# Altium PCB ad-dc-1.PcbDoc (part 2 of 2)
Units mm, origin at the board's own origin, x right, y up, seen from the top; angles counter-clockwise.
Board outline 210 x 140 mm, 2 copper layers (Top Layer, Bottom Layer), stack 2.271 mm thick; 238 components, 114 nets, 592 pads, 0 vias.
Unrouted connection lines stored in the file: 457.
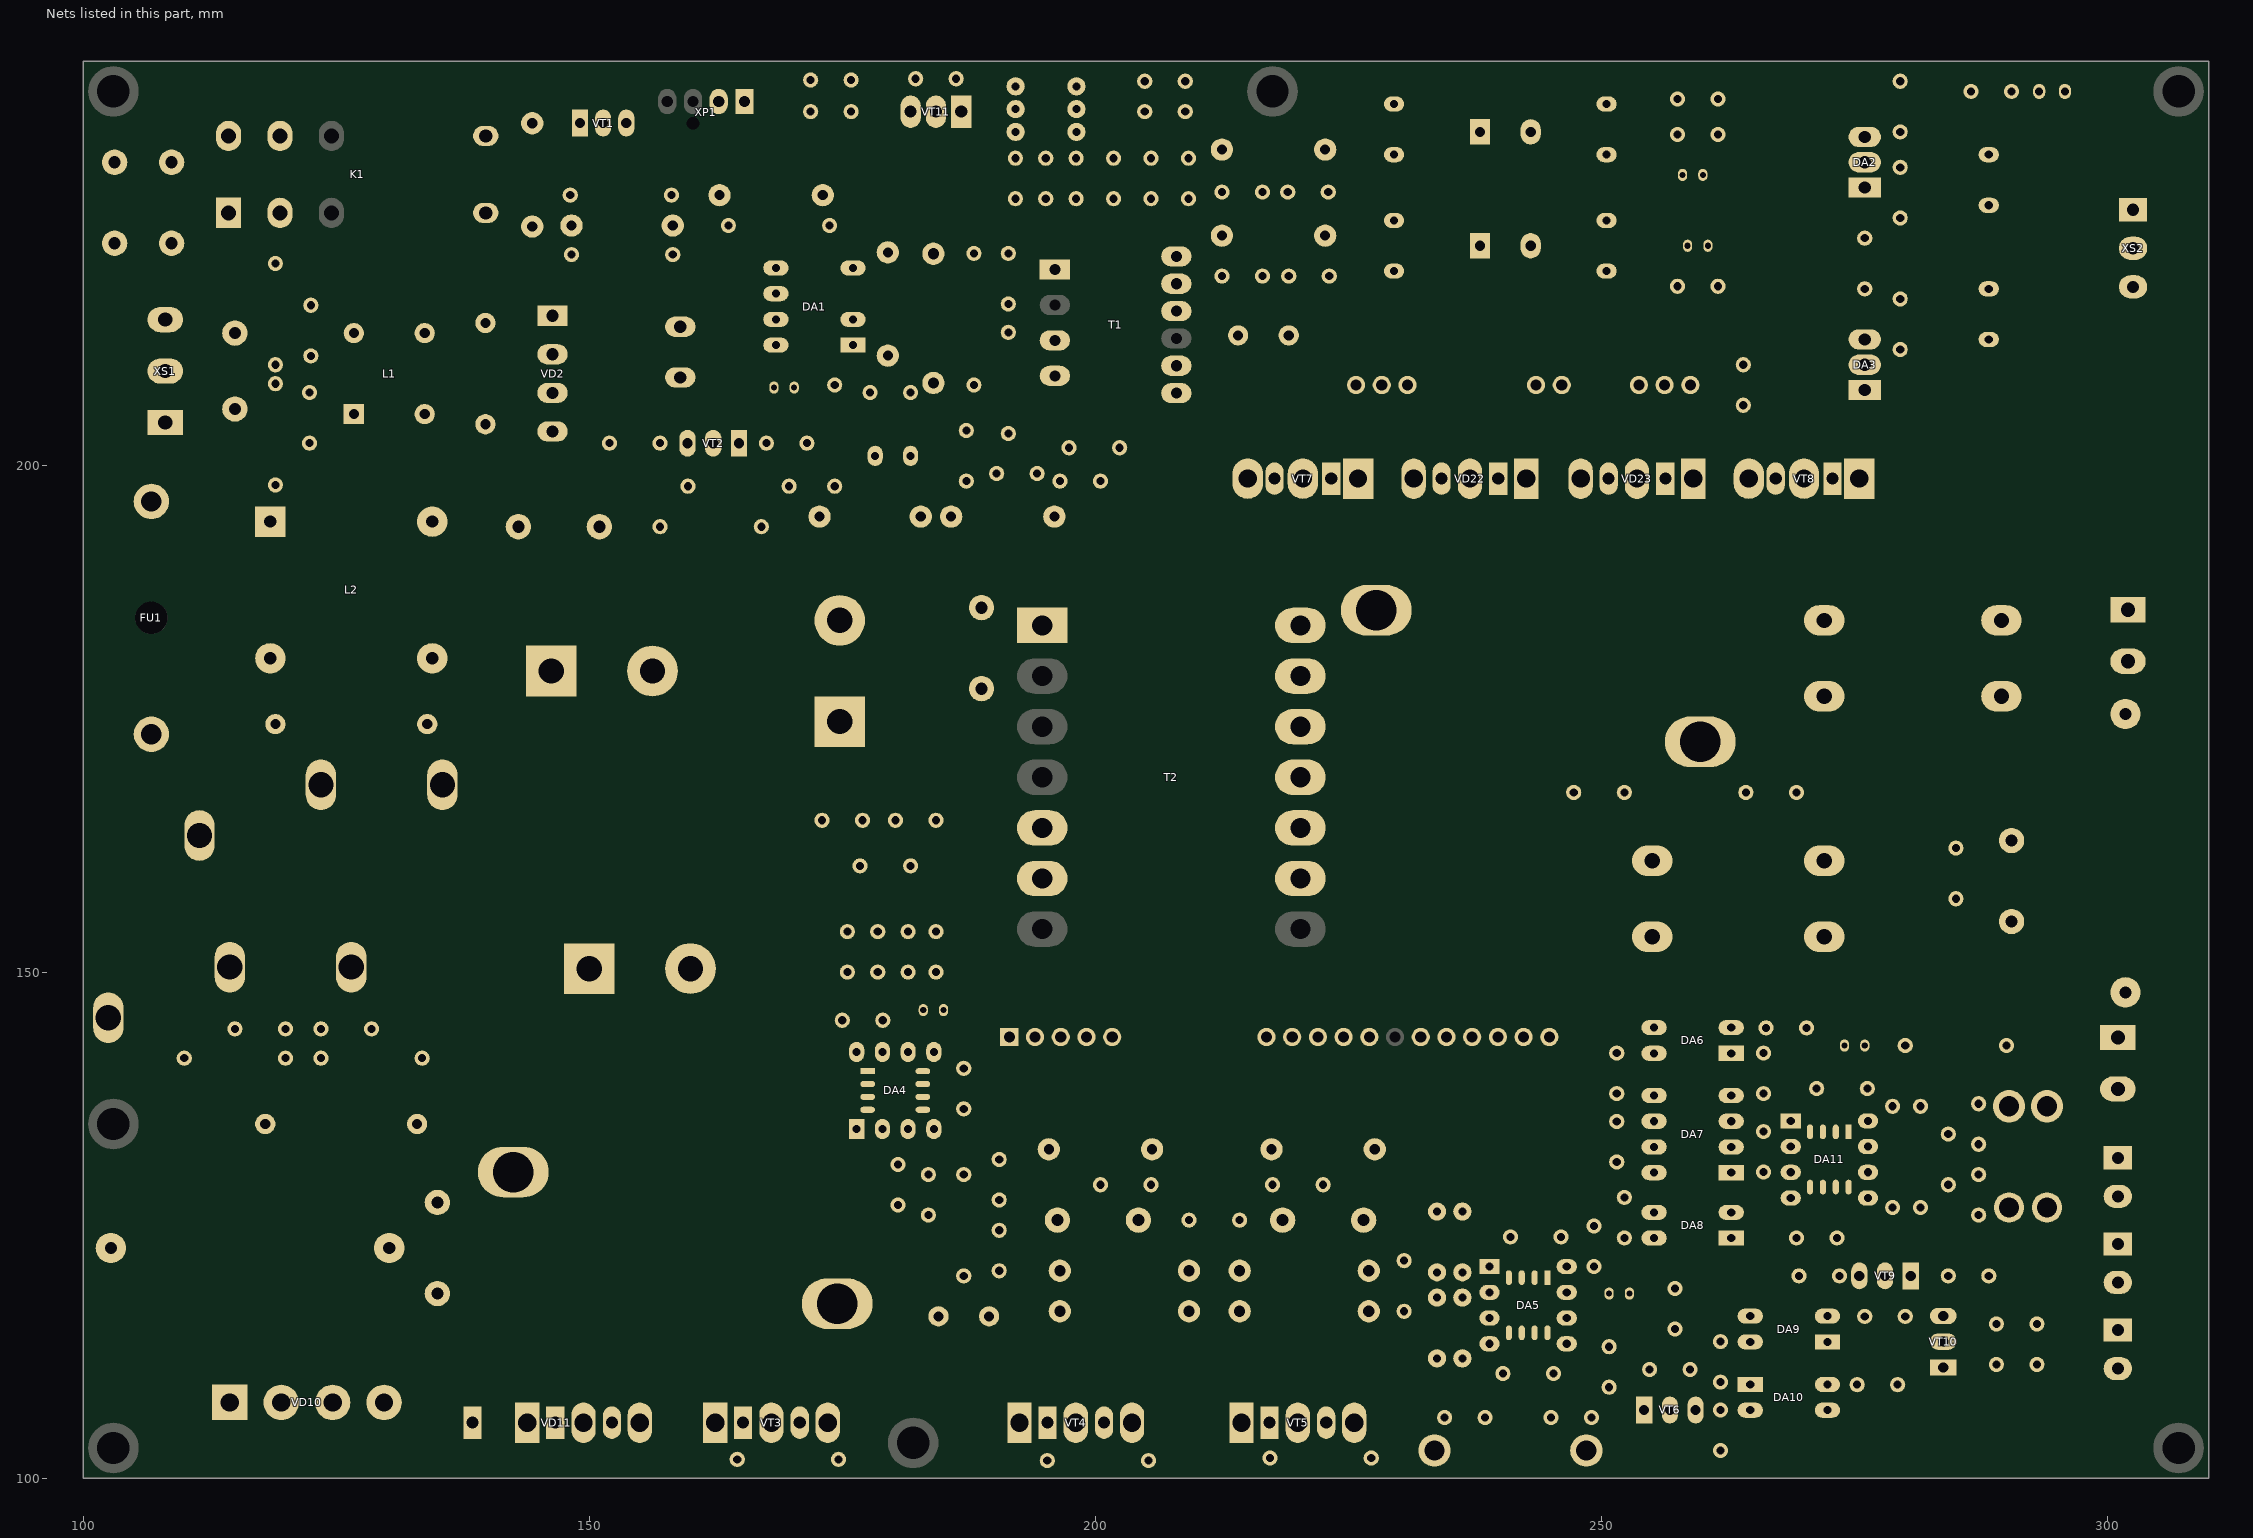
[diagram p2: the nets of this part, all layers, seen from the top]

## Part data
C1: library part C_ECAP, "Aluminium capacitor", Manufacturer=Nichicon, Package=12.5x25, Part Number=UCY2G330MHD, Tolerance="± 20 %", Voltage=400V, Value on schem=33u
C2 C8 C15: library part MKP61, "Metallized Polypropylene Film Capacitor for high voltage application", Dielectric=Polypropylene, Tolerance="± 10 %", Voltage=300V, Package=MKP61
  C2: Value on schem=0.1u
  C8: Value on schem=0.01u
  C15: Value on schem=0.22u
C3 C7 C45: library part JB_Y2, "High Voltage Ceramic Capacitor", Dielectric=Y5U, Manufacturer=JB, Package=Y, Part Number=JYC3D102MBE, Tolerance="± 20 %", Voltage=2000V, Value on schem=1000p
C4 C5: library part JB_Y2, "High Voltage Ceramic Capacitor", Dielectric=Y5V, Manufacturer=JB, Package=Y, Part Number=JYC3D103MCF, Tolerance="± 20 %", Voltage=2000V, Value on schem=0.01u
C6 C26 C27: library part C_ECAP, "Aluminium capacitor", Manufacturer=Nichicon, Package=5x11, Part Number=UVR1J100MDD1TA, Tolerance="± 20 %", Voltage=63V, Value on schem=10u
C9 C19 C24 C25 C30 C31 C39 C40 C46 C48 C49 C50 C54: library part CL23B, "Box-type metallized polyester film capacitor", Dielectric=Polyester, Tolerance="± * %", Voltage=63V, Package=CL23B
  C9 C19 C24 C25 C30 C31 C39 C48 C49: Value on schem=0.1u
  C40 C46 C54: Value on schem=1000p
  C50: Value on schem=0.47u
C10 C11: library part JB_Y2, "High Voltage Ceramic Capacitor", Dielectric=Y5V, Manufacturer=JB, Package=Y, Part Number=JYC3D472MBF, Tolerance="± 20 %", Voltage=2000V, Value on schem=4700p
C12 C13: library part CL11, "CL11 Type Polyester Film Metal Foil Capacitor-inductive", Dielectric=Polyester, Manufacturer="Shengxin Capacitors", Part Number=CL11-2A471J, Tolerance="± 5 %", Voltage=100V, Package=CL11, Value on schem=470p
C14: library part CL11, "CL11 Type Polyester Film Metal Foil Capacitor-inductive", Dielectric=Polyester, Manufacturer="Shengxin Capacitors", Part Number=CL11-2A391J, Tolerance="± 5 %", Voltage=100V, Package=CL11, Value on schem=390p
C16 C17 C33 C34: library part C_ECAP, "Aluminium capacitor", Manufacturer=Nichicon, Package=10x16, Part Number=UPW1E471MPD, Tolerance="± 20 %", Voltage=25V, Value on schem=470u
C18: library part C_ECAP, "Aluminium capacitor", Manufacturer=Panasonic, Package=8x15, Part Number=EEUFR1E391L, Tolerance="± 20 %", Voltage=25V, Value on schem=390u
C20: library part CL21, "CL21 Type Metallized Polyester Film Capacitor", Dielectric=Polyester, Tolerance="± * %", Voltage=630V, Package=CL21, Value on schem=4.7u
C21 C22: library part C_ECAP, "Aluminium capacitor", Manufacturer=Nichicon, Package=10x20, Part Number=UVZ1E102MPD, Tolerance="± 20 %", Voltage=25V, Value on schem=1000u
C23: library part RDE_CAP, "MLCC radial lead type with epoxy coat (RDE Series)", Dielectric=X7S, Manufacturer=Murata, Package=RDE, Part Number=RDEC71H475K2P1H03B, Tolerance="± 10 %", Voltage=50V, Value on schem=4.7u
C28 C35 C37 C57 C58 C59 C60 C61 C62 C63: library part RDE_CAP, "MLCC radial lead type with epoxy coat (RDE Series)", Dielectric=X7R, Manufacturer=Murata, Package=RDE, Part Number=RDER72A104K1P1H03B, Tolerance="± 10 %", Voltage=100V, Value on schem=0.1u
C29 C38 C47: library part C_ECAP, "Aluminium capacitor", Manufacturer=Nichicon, Package=5x11, Part Number=UVR1J220MDD, Tolerance="± 20 %", Voltage=63V, Value on schem=22u
C32: library part ECAP_35x50, "Aluminium capacitors 35x50mm", Manufacturer=Yageo, Package=35x50, Part Number=LG450M0470BPF-3550, Tolerance="± 20 %", Voltage=450V, Value on schem=470u
C36: library part RDE_CAP, "MLCC radial lead type with epoxy coat (RDE Series)", Dielectric=X7R, Manufacturer=Murata, Package=RDE, Part Number=RDER71H105K2P1H03B, Tolerance="± 10 %", Voltage=50V, Value on schem=1u
C41 C42: library part JB_Y2, "High Voltage Ceramic Capacitor", Dielectric=Y5P, Manufacturer=JB, Package=Y, Part Number=JYC3D681KBB, Tolerance="± 10 %", Voltage=2000V, Value on schem=680p
C43 C44: library part ECAP_22x50, "Aluminium capacitors 35x50mm", Manufacturer=Nichicon, Package=22x50, Part Number=UPW2D471MRD, Tolerance="± 20 %", Voltage=200V, Value on schem=470u
C51 C52 C53 C55: library part C_ECAP, "Aluminium capacitor", Manufacturer=Samwha, Package=16x36, Part Number=RD1H338M1635MPA, Tolerance="± 20 %", Voltage=50V, Value on schem=3300u
C56: library part CL21, "CL21 Type Metallized Polyester Film Capacitor", Dielectric=Polyester, Tolerance="± * %", Voltage=250V, Package=CL21, Value on schem=2.2u
DA1: "Energy-Effi cient, Off-Line Switcher With Enhanced Flexibility and Extended Power Range", Manufacturer="Power Integrations", Package=DIP-8C, Part Number=TNY277PN
DA2: "1.5 A 3-Terminal Adjustable Regulator", Manufacturer="Texas Instruments", Package=TO-220, Part Number=LM317KC
DA3: "-1.5A  3-Terminal Adjustable Negative Regulators", Manufacturer="Texas Instruments", Package=TO-220, Part Number=LM337T
DA4: "PFC Controller in Continuous Conduction Mode", Manufacturer="International Rectifier", Package=DIP-8, Part Number=ICE2PCS01
DA5 DA11: "Low-Power, Dual-Operational Amplifiers", Manufacturer="Texas Instruments", Package=DIP-8, Part Number=LM358N/NOPB
DA6 DA8 DA9 DA10: "5kV Phototransistor Optocoupler", Manufacturer="ON Semiconductor", Package=DIP-4, Part Number=FOD817A
DA7: "High Density Mounting Type Photocoupler", Manufacturer=Sharp, Package=DIP-8, Part Number=PC827
FU1: "Fuse holder 5.2х20mm", Package="Dragon City", Part Number=FH-102
HL1: "Standard Brightness 3mm LED", Color="Green, 565 nm", Manufacturer="G-Nor Optoelectronics", Package=3mm, Part Number=GNL-3012GD
K1: library part SMIH-12VDC-SL-C, "Subminature high power relay 16A", Coil Current=12V@75mA, Coil Power Dissipation=0.9W, Coil Resistance="160 Ohm", Manufacturer="Songle Relay", Package="32mm x27.5mm", Part Number=SLA-12VDC-SL-C
KT1 KT2 KT3 KT4 KT5 KT6 KT7 KT8 KT9 KT10 KT11 KT12 KT13 KT14 KT15 KT16 KT17 KT18 KT19 KT20 KT21 KT22 KT23 KT24 KT25: "Test pad"
L1: library part UU9.8, "UU9.8 Ferrite Core inductor", Core=UU9.8
L2: library part EE25, "EE25 Ferrite Core inductor", Core=EE25
L3 L4 L5: library part CORE_D20, "Ferrite Core D20.3/12.7/6.35 mm", Core=D20
L6 L7: library part RLB0914, "Radial Inductors", Inductance @ 100 kHz="* µH", Manufacturer="Bourns Inc.", Package=8.7x12mm, Irms  Max="* A", Isat  Typ="* A", Part Number=RLB0914-*, RDC="* Ohm", SRF Min="* MHz"
L8: library part CORE_D36, "Ferrite Core D35.8/22.4/10.5 mm", Core=D36
L9 L11: library part EC24, "Axial leaded coated inductors", Inductance @ 100 kHz="18 µH", Manufacturer="3L Electronic", Irms  Max="315 mA", Package=EC24, Part Number=EC24-180K, Q=40, RDC="1 Ohm", SRF Min="15 MHz"
L10: library part CORE_D33, "Ferrite Core D32.8/20.1/10.7 mm", Core=D33
R1 R2: library part CF200, "Resistor 2W", Manufacturer=Yageo, Package=2W, Part Number=KNP200JB-73-56R, Temperature coefficient="±300 ppm/°C", Tolerance="± 5 %", Voltage=250V, Value on schem=56
R3 R4 R12 R25 R43 R44 R54 R55 R57 R59 R60 R64: library part CF25, "Resistor 1/4W", Manufacturer=Yageo, Package=1/4, Part Number=MFR-25FTF52-1K, Temperature coefficient="±100 ppm/°C", Tolerance="± 1 %", Voltage=250V, Value on schem=1k
R5: library part CF25, "Resistor 1/4W", Manufacturer=Yageo, Package=1/4, Part Number=MFR-25FTF52-30R, Temperature coefficient="±100 ppm/°C", Tolerance="± 1 %", Voltage=250V, Value on schem=30
R6: library part CF25, "Resistor 1/4W", Manufacturer=Yageo, Package=1/4, Part Number=MFR-25FTF52-75R, Temperature coefficient="±100 ppm/°C", Tolerance="± 1 %", Voltage=250V, Value on schem=75
R7 R8 R16 R17: library part CF25, "Resistor 1/4W", Manufacturer=Yageo, Package=1/4, Part Number=MFR-25FTF52-510K, Temperature coefficient="±100 ppm/°C", Tolerance="± 1 %", Voltage=250V, Value on schem=510k
R9: library part CF50, "Resistor 1/2W", Manufacturer=Yageo, Package=1/2, Part Number=MFR-50JT-52-200K, Temperature coefficient="200 ppm/K", Tolerance="± 5 %", Voltage=350V, Value on schem=200k
R10: library part CF25, "Resistor 1/4W", Manufacturer=Yageo, Package=1/4, Part Number=MFR-25FTF52-4K7, Temperature coefficient="±100 ppm/°C", Tolerance="± 1 %", Voltage=250V, Value on schem=4.7k
R11: library part CF25, "Resistor 1/4W", Manufacturer=Yageo, Package=1/4, Part Number=MFR-25FTF52-5K1, Temperature coefficient="±100 ppm/°C", Tolerance="± 1 %", Voltage=250V, Value on schem=5.1k
R13 R14: library part CF25, "Resistor 1/4W", Manufacturer=Yageo, Package=1/4, Part Number=MFR-25FTF52-27R, Temperature coefficient="±100 ppm/°C", Tolerance="± 1 %", Voltage=250V, Value on schem=27
R15: library part CF25, "Resistor 1/4W", Manufacturer=Yageo, Package=1/4, Part Number=MFR-25FTF52-22R, Temperature coefficient="±100 ppm/°C", Tolerance="± 1 %", Voltage=250V, Value on schem=22
R18: library part CF25, "Resistor 1/4W", Manufacturer=Yageo, Package=1/4, Part Number=MFR-25FTF52-680R, Temperature coefficient="±100 ppm/°C", Tolerance="± 1 %", Voltage=250V, Value on schem=680
R19: library part CF25, "Resistor 1/4W", Manufacturer=Yageo, Package=1/4, Part Number=MFR-25FTF52-220R, Temperature coefficient="±100 ppm/°C", Tolerance="± 1 %", Voltage=250V, Value on schem=220
R20: library part BPR58, "Rectangular type metal plate resistors", Manufacturer="KOA Speer", Package=5W, Part Number=BPR58CR10J, Temperature coefficient="±350 /°C", Tolerance="± 5 %", Value on schem=0.1
R21: library part CF25, "Resistor 1/4W", Manufacturer=Yageo, Package=1/4, Part Number=MFR-25FTF52-75K, Temperature coefficient="±100 ppm/°C", Tolerance="± 1 %", Voltage=250V, Value on schem=75k
R22: library part CF25, "Resistor 1/4W", Manufacturer=Yageo, Package=1/4, Part Number=MFR-25FTF52-3R6, Temperature coefficient="±100 ppm/°C", Tolerance="± 1 %", Voltage=250V, Value on schem=3.6
R23 R32 R37 R38 R42 R45 R47 R48 R49 R56 R58 R61 R63 R68: library part CF25, "Resistor 1/4W", Manufacturer=Yageo, Package=1/4, Part Number=MFR-25FTF52-10K, Temperature coefficient="±100 ppm/°C", Tolerance="± 1 %", Voltage=250V, Value on schem=10k
R24 R28 R53: library part CF25, "Resistor 1/4W", Manufacturer=Yageo, Package=1/4, Part Number=MFR-25FTF52-2K, Temperature coefficient="±100 ppm/°C", Tolerance="± 1 %", Voltage=250V, Value on schem=2k
R26: library part CF25, "Resistor 1/4W", Manufacturer=Yageo, Package=1/4, Part Number=MFR-25FTF52-240R, Temperature coefficient="±100 ppm/°C", Tolerance="± 1 %", Voltage=250V, Value on schem=240
R27: library part CF25, "Resistor 1/4W", Manufacturer=Yageo, Package=1/4, Part Number=MFR-25FTF52-120R, Temperature coefficient="±100 ppm/°C", Tolerance="± 1 %", Voltage=250V, Value on schem=120
R29: library part CF25, "Resistor 1/4W", Manufacturer=Yageo, Package=1/4, Part Number=MFR-25FTF52-33K, Temperature coefficient="±100 ppm/°C", Tolerance="± 1 %", Voltage=250V, Value on schem=33k
R30 R31: library part CF25, "Resistor 1/4W", Manufacturer=Yageo, Package=1/4, Part Number=MFR-25FTF52-390K, Temperature coefficient="±100 ppm/°C", Tolerance="± 1 %", Voltage=250V, Value on schem=390k
R33: library part CF25, "Resistor 1/4W", Manufacturer=Yageo, Package=1/4, Part Number=MFR-25FTF52-15K, Temperature coefficient="±100 ppm/°C", Tolerance="± 1 %", Voltage=250V, Value on schem=15k
R34 R35: library part CF50, "Resistor 1/2W", Manufacturer=Yageo, Package=1/2, Part Number=MFR-50JT-52-3R6, Temperature coefficient="200 ppm/K", Tolerance="± 5 %", Voltage=350V, Value on schem=3.6
R36 R62 R70: library part CF25, "Resistor 1/4W", Manufacturer=Yageo, Package=1/4, Part Number=MFR-25FTF52-22K, Temperature coefficient="±100 ppm/°C", Tolerance="± 1 %", Voltage=250V, Value on schem=22k
R39: library part SHUNT_15MM, "Constantan shunt resistor, pitch = 15mm", Package=15MM, Temperature coefficient=±*/°C, Tolerance="±  %", Value on schem=0.05
R40 R41: library part CF200, "Resistor 2W", Manufacturer=Yageo, Package=2W, Part Number=KNP200JB-73-27R, Temperature coefficient="±300 ppm/°C", Tolerance="± 5 %", Voltage=250V, Value on schem=27
R46: library part CF25, "Resistor 1/4W", Manufacturer=Yageo, Package=1/4, Part Number=MFR-25FTF52-5.1K, Temperature coefficient="±100 ppm/°C", Tolerance="± 1 %", Voltage=250V, Value on schem=6.2k
R50 R51 R52: library part CF25, "Resistor 1/4W", Manufacturer=Yageo, Package=1/4, Part Number=MFR-25FTF52-2K2, Temperature coefficient="±100 ppm/°C", Tolerance="± 1 %", Voltage=250V, Value on schem=2.2k
R65 R67: library part SHUNT_10MM, "Constantan shunt resistor, pitch = 10mm", Package=10MM, Temperature coefficient=±*/°C, Tolerance="± 5 %", Value on schem=0.02
R66: library part CF200, "Resistor 2W", Manufacturer=Yageo, Package=2W, Part Number=KNP200JB-73-2K2, Temperature coefficient="±300 ppm/°C", Tolerance="± 5 %", Voltage=250V, Value on schem=2.2k
R69: library part CF25, "Resistor 1/4W", Manufacturer=Yageo, Package=1/4, Part Number=MFR-25FTF52-1M, Temperature coefficient="±100 ppm/°C", Tolerance="± 1 %", Voltage=250V, Value on schem=1M
R71 R72: library part CF25, "Resistor 1/4W", Manufacturer=Yageo, Package=1/4, Part Number=MFR-25FTF52-3K3, Temperature coefficient="±100 ppm/°C", Tolerance="± 1 %", Voltage=250V, Value on schem=3.3k
R73 R74: library part CF200, "Resistor 2W", Manufacturer=Yageo, Package=2W, Part Number=MFR200JT-73-100K, Temperature coefficient="±200 ppm/°C", Tolerance="± 5 %", Voltage=250V, Value on schem=100k
RT1 RT2: library part NTC, "NTC thermistors"
RU1: library part VARISTOR, "Varistor", Part Number=VDR-14D431
T1: library part EEL19_V1, "EEL19 Ferrite Core, 2 output"
T2: library part ER39, "EE39 Ferrite Core, with footprint for ER35, EE33, EI33 etc."
VD1 VD4 VD12 VD13 VD24: "1A 1000V Standard Recovery Rectifiers Diode", Manufacturer="ON Semiconductor", Package=DO-41, Part Number=1N4007RL
VD2: "2A single phase bridge rectifier", Manufacturer="Diodes Incorporated", Package=KBP, Part Number=KBP210G
VD3: "10V 1.0W ZENER DIODE", Manufacturer="Diodes Incorporated", Package=DO-41, Part Number=1N4740A
VD5: "600 Watt Peak Power Transient / Voltage Suppressors", Manufacturer="ON Semiconductor", Package=DO-15, Part Number=P6KE160ARLG
VD6 VD7 VD8: "1A, 80V Schottky Barrier Rectifier", Manufacturer="ON Semiconductor", Package=DO-41, Part Number=SB180
VD9: "12V 1.0W ZENER DIODE", Manufacturer="Diodes Incorporated", Package=DO-41, Part Number=1N4742A
VD10: "8A single phase bridge rectifier", Manufacturer="Diodes Incorporated", Package=GBU, Part Number=GBU810
VD11: "Ultrafast, Soft Recovery Diode 600V, 15A", Manufacturer=Infineon, Package=TO-247AC, Part Number=HFA30PA60C
VD14 VD15 VD16 VD17 VD25 VD26 VD27: "High-speed diode", Package=DO-35, Part Number=1N4148
VD18 VD19 VD20 VD21: "Diode 2A, 1000V Glass Passivated Fast Recovery Rectifiers", Manufacturer="Taiwan Semiconductor Corporation", Package=DO-15, Part Number=FR207G
VD22 VD23: "Power Schottky Rectifier Diode 45V, 2x15A", Manufacturer=STMicroelectronics, Package=TO-247AC, Part Number=STPS3045CW
VT1: "General Purpose n-p-n Transistors", Manufacturer=STMicroelectronics, Package=TO-126, Part Number=BD139
VT2 VT9: "General Purpose n-p-n Transistors", Manufacturer=NEC, Package=TO-92, Part Number=2SC945
VT3 VT4 VT5: "600V @ 20A N-Channel MOSFET", Manufacturer="ON Semiconductor", Package=TO-247, Part Number=FCH20N60
VT6 VT10: "General Purpose p-n-p Transistors", Manufacturer=NEC, Package=TO-92, Part Number=2SA733
VT7 VT8: "150V @ 70A 28 mΩ N-Channel MOSFET", Manufacturer="ON Semiconductor", Package=TO-3PN, Part Number=FQA70N15
VT11: "N-Channel MOSFET,  30V, 40A", Manufacturer="Advanced Power Electronics Corp.", Package=TO220-3, Part Number=AP40N03GP
XS1: "3-way screw terminal, pitch 200mils (5.08mm)", Manufacturer=DEGSON, Part Number=DG500-5.08-03P-14
XS2: "3-way screw terminal, pitch 150mils (3.81mm)", Manufacturer=DEGSON, Part Number=DG340-3.81-03P-12
XS3 XS4 XS5: "2-way screw terminal, pitch 150mils (3.81mm)", Manufacturer=DEGSON, Part Number=DG340-3.81-02P-12
XS6 XS7: "2-way screw terminal, pitch 200mils (5.08mm)", Manufacturer=DEGSON, Part Number=DG500-5.08-02P-14
XP1: Part Number=470531000

## Free pads (board coordinates)
  round 5 hole 3.2 mask+0.075: MECHANICAL(103,103) MECHANICAL(103,135) MECHANICAL(103,237) MECHANICAL1(182,103.5) MECHANICAL1(217.5,237) MECHANICAL1(307,103) MECHANICAL1(307,237)

## Nets (pads, with @x,y where several pads share a name; then routed paths per layer and width w, separated by ;. In a path a pad name is that pad's centre, name@x,y a point inside that pad or via, vN(x,y) a via of type N, cw(c..) or ccw(c..) an arc to the next point about the centre after c; other vN are vias at no path point)
0V: C46.1 C49.1 C50.1 C51.2 C52.2 C53.2 C55.2 C56.1 KT20.1 KT23.1 R63.2 R65.2 R66.1 R67.2 VD22.1 VD22.3 VD23.1 VD23.3 VT7.3 VT8.3 XS7.1 XS7.2
AC230_H: C10.1 C15.2 L3.2 R16.2 VD10.2
AC230_L: C11.2 C15.1 L4.2 R17.1 VD10.3
AC230_PE: C10.2 C11.1 L5.2 R16.1 R17.2
ALERT_ISO: DA10.4 R55.2 XS4.1
CLR_ALERT: DA9.4 KT10.1 R49.2
CLR_ALERT_ISO: R59.2 XS3.2
DAC_VSET: DA11.2 XS5.1
FB_CURRENT: KT6.1
FB_VOLTAGE: DA7.6 KT7.1 R47.1
GND: C16.2 C17.1 C21.2 C22.1 C24.2 C25.1 C26.2 C27.1 C30.2 C31.1 C33.2 C34.1 C47.2 C48.2 DA6.2 DA7.4 DA7.7 DA10.3 DA11.4 HL1.1 KT25.1 R24.1 R25.2 R51.1 R54.2 R56.2 R64.2 R65.1 R67.1 T1.9 VT9.3 XS2.2 XS4.2 XS5.2
HALF_BRIDGE_OFF: DA8.4 KT17.1 R48.2
HALF_OFF_ISO: R57.2 XS3.1
HALF_SD#: KT8.1
HALF_VS: C41.1 KT3.1 R37.1 R41.1 T2.5 VD19.2 VD21.2 VT4.3 VT5.2
NetC2_1: C2.1 L1.4 VD2.3
NetC2_2: C2.2 L1.3 VD2.2
NetC3_1: C3.1 R5.1
NetC4_1: C4.1 FU1.2 L1.1 L2.1 R7.2 RU1.2
NetC4_2: C4.2 C5.1 L5.1 R7.1 R8.2 XS1.2
NetC5_2: C5.2 K1.1 K1.8 L1.2 L2.2 R1.1 R2.1 R8.1 RU1.1
NetC6_1: C6.1 DA1.2
NetC7_2: C7.2 T1.4
NetC8_1: C8.1 L2.3 L4.1
NetC8_2: C8.2 L2.4 L3.1
NetC9_1: C9.1 R12.2
NetC12_1: C12.1 C16.1 L6.1 VD6.1
NetC12_2: C12.2 R13.1
NetC13_1: C13.1 C17.2 L7.1 VD7.2
NetC13_2: C13.2 R14.1
NetC14_2: C14.2 R15.1
NetC20_1: C20.1 R19.2 R20.1 VD10.1
NetC20_2: C20.2 L8.1 VD10.4 VD11.1
NetC21_1: C21.1 C24.1 DA2.3 L6.2
NetC22_2: C22.2 C25.2 DA3.2 L7.2
NetC23_2: C23.2 DA4.2
NetC26_1: C26.1 DA2.1 R24.2 R26.2
NetC27_2: C27.2 DA3.1 R25.1 R27.2
NetC35_1: C35.1 DA4.5 R29.2
NetC36_1: C36.1 R29.1
NetC37_1: C37.1 DA4.6 R31.1 R32.1 R33.2
NetC38_1: C38.1 C39.1 DA5.8 L9.1
NetC40_1: C40.1 DA5.3 R42.2 VD14.2 VD15.1
NetC40_2: C40.2 DA5.2 R36.1 R43.2 VD16.2 VD17.1
NetC41_2: C41.2 R40.1 VD18.1 VD20.1
NetC42_2: C42.2 R41.2 VD19.1 VD21.1
NetC43_2: C43.2 C44.1 R73.1 R74.2 T2.1
NetC45_2: C45.2 T2.6
NetC47_1: C47.1 C48.1 DA11.8 L11.1 R61.1
NetC54_1: C54.1 DA11.5 R63.1
NetC54_2: C54.2 DA11.6 R62.1 R64.1
NetC57_2: C57.2 C58.1 R68.2 VD24.2 VT11.2 XP1.1
NetC59_1: C59.1 R69.2 VD25.1 VD26.1 VD27.1 VT11.1
NetDA1_1: DA1.1 R10.1
NetDA1_4: DA1.4 T1.3 VD4.2
NetDA4_3: DA4.3 R19.1
NetDA4_4: DA4.4 R21.1
NetDA4_8: DA4.8 R22.1
NetDA5_1: DA5.1 DA5.5 R36.2
NetDA6_1: DA6.1 R53.1 R54.1
NetDA7_1: DA7.1 R60.1
NetDA7_2: DA7.2 DA7.3
NetDA7_8: DA7.8 DA11.3 R61.2
NetDA8_1: DA8.1 R52.2
NetDA8_2: DA8.2 VT9.2
NetDA9_1: DA9.1 VT10.2
NetDA9_2: DA9.2 R51.2
NetDA10_1: DA10.1 VT6.2
NetDA10_2: DA10.2 R50.2
NetDA11_1: DA11.1 R60.2
NetDA11_7: DA11.7 R53.2 R62.2
NetFU1_1: FU1.1 XS1.1
NetHL1_2: HL1.2 R28.1
NetK1_2: K1.2 K1.7 R1.2 R2.2 XS1.3
NetK1_5: K1.5 VD1.2 VT1.2
NetKT18_1: KT18.1 T2.13 T2.14 VD22.2 VT7.2
NetKT19_1: KT19.1 VT7.1
NetKT21_1: KT21.1 T2.9 T2.10 VD23.2 VT8.2
NetKT22_1: KT22.1 VT8.1
NetL8_2: L8.2 VD11.3 VT3.2
NetL10_1: L10.1 T2.11 T2.12
NetR3_1: R3.1 VD3.1
NetR4_2: R4.2 VD3.2 VT1.1
NetR5_2: R5.2 R6.1 R9.1 VD5.1
NetR6_2: R6.2 VD4.1
NetR10_2: R10.2 VT2.2
NetR11_1: R11.1 R18.1 VD9.2
NetR11_2: R11.2 R12.1 VT2.1
NetR13_2: R13.2 T1.10 VD6.2
NetR14_2: R14.2 T1.8 VD7.1
NetR15_2: R15.2 T1.5 VD8.2
NetR22_2: R22.2 R23.2 VT3.1
NetR30_1: R30.1 R31.2
NetR34_1: R34.1 R37.2 VD12.2 VT4.1
NetR35_1: R35.1 R38.2 VD13.2 VT5.1
NetR39_2: R39.2 R42.1 VT5.3
NetR44_2: R44.2 R45.1 VT6.1
NetR56_1: R56.1 R57.1 VT9.1
NetR58_1: R58.1 R59.1 VT10.1
NetR68_1: R68.1 R70.2 VD25.2
OVER_CURRENT_HALF_BRIDGE: DA5.6 DA5.7 KT13.1
OVER_CURRENT_RECTIFIER: DA6.4 KT14.1 R46.2
OVER_TEMP_HALF_BRIDGE: C62.2 C63.1 KT15.1 R71.2 RT1.1 VD26.2
OVER_TEMP_RECTIFIER: C60.2 C61.1 KT16.1 R72.2 RT2.1 VD27.2
PGND: C1.2 C6.2 C7.1 C9.2 C18.2 C19.2 C23.1 C28.2 C29.2 C32.2 C35.2 C36.2 C37.2 C38.2 C39.2 C42.1 C44.2 C45.1 C58.2 C59.2 C61.2 C63.2 DA1.5 DA1.6 DA1.7 DA1.8 DA4.1 DA5.4 DA6.3 DA7.5 DA8.3 DA9.3 KT5.1 KT12.1 R4.1 R18.2 R20.2 R21.2 R23.1 R32.2 R33.1 R38.1 R39.1 R43.1 R50.1 R69.1 R70.1 R71.1 R72.1 R74.1 T1.6 VD2.4 VD15.2 VD17.2 VT1.3 VT2.3 VT3.3 VT11.3
PWM_ALERT: KT9.1 R44.1
PWM_H: KT4.1 R34.2 VD12.1
PWM_L: KT2.1 R35.2 VD13.1
VCC_310V: C1.1 C3.2 R9.2 T1.1 VD2.1 VD5.2
VCC_380V: C32.1 C43.1 R30.2 R40.2 R73.2 VD11.2 VD18.2 VD20.2 VT4.2
VCC_NONISO_12V0P: C14.1 C18.1 C19.1 C28.1 C29.1 C57.1 C60.1 C62.1 DA4.7 K1.4 KT1.1 L9.2 R3.2 R45.2 R46.1 R47.2 R48.1 R49.1 RT1.2 RT2.2 VD1.1 VD8.1 VD9.1 VD14.1 VD16.1 VD24.1 VT6.3 XP1.2
VCC_STANDBY_12V0N: C31.2 C34.2 DA3.3 R27.1 XS2.3
VCC_STANDBY_12V0P: C30.1 C33.1 DA2.2 KT24.1 L11.2 R26.1 R28.2 R52.1 R55.1 R58.2 VT10.3 XS2.1
VOUT: C46.2 C49.2 C50.2 C51.1 C52.1 C53.1 C55.1 C56.2 L10.2 R66.2 XS6.1 XS6.2
pads on no net: FU1.HOLE K1.3 K1.6 KT11.1 T1.2 T1.7 T2.2 T2.3 T2.4 T2.7 T2.8 XP1.0 XP1.3 XP1.4

## Other copper
Top Layer:
  pour cut-out: 256.75,146.5 256.75,122.75 261,118.5 264.75,118.5 266.25,117 266.25,104 270.75,104 270.75,116.75 265.75,121.75 261.75,121.75 261.25,122.25 261.25,146.5

## Silkscreen, mask and mechanical layers (free items; w line width, h text height)
Top Overlay:
  rectangle: 201.5,207 202.5,221
  rectangle: 206.75,161 208.25,182.25
  lines w0.2: 100.5,108 108,108 ; 100.5,131 108,131 108,139 100.5,139 ; 100.5,232 108,232 108,239.5 ; 108,101 108,108.5 ; 197.8,159.3 198.8,159.3 ; 198,164.25 203.75,164.25 203.75,166.75 ccw(c203.75,168) 203.75,169.25 ccw(c203.75,170.5) 203.75,171.75 ccw(c203.75,173) 203.75,174.25 ; 198,174.25 203.75,174.25 ; 198,208.9 199,208.9 199,206.7 ; 198,212.3 200,212.3 200,213.2 ccw(c200,213.875) 200,214.55 ccw(c200,215.225) 200,215.9 ; 198,215.9 200,215.9 ; 199.3,219.5 200,219.5 200,218.6 cw(c200,217.925) 200,217.25 cw(c200,216.575) 200,215.9 ; 201.75,184.25 203.75,184.25 203.75,181.75 cw(c203.75,180.5) 203.75,179.25 cw(c203.75,178) 203.75,176.75 cw(c203.75,175.5) 203.75,174.25 ; 206,207.15 204,207.15 cw(c204,207.825) 204,208.5 cw(c204,209.175) 204,209.85 206,209.85 ; 206,215.3 204,215.3 cw(c204,215.975) 204,216.65 cw(c204,217.325) 204,218 ; 206,218 204,218 ; 206,220.7 204,220.7 ccw(c204,220.025) 204,219.35 ccw(c204,218.675) 204,218 ; 215,161.75 211.25,161.75 cw(c211.25,163) 211.25,164.25 cw(c211.25,165.5) 211.25,166.75 cw(c211.25,168) 211.25,169.25 cw(c211.25,170.5) 211.25,171.75 ; 215,171.75 211.25,171.75 ; 215,181.75 211.25,181.75 ccw(c211.25,180.5) 211.25,179.25 ccw(c211.25,178) 211.25,176.75 ccw(c211.25,175.5) 211.25,174.25 ccw(c211.25,173) 211.25,171.75 ; 217,159.25 215,159.25 215,164.25 217,164.25 ; 217,169.25 215,169.25 215,174.25 217,174.25 ; 217,179.25 215,179.25 215,184.25 217,184.25 ; 302,100.5 302,108 309.5,108 ; 302,239.5 302,232 309.5,232 ; 188.75,134.373 248.35,134.373 248.35,148.673 188.75,148.673 188.75,134.373 ; 205.25,136.25 205.25,145.75 213.25,145.75 213.25,136.25 205.25,136.25 ; 223.25,202.75 223.25,216 261.5,216 261.5,202.75 223.25,202.75
  lines w0.254: 110,108.5 108.5,108.5 108.5,113.75 232,113.75 232,108.5 229,108.5 ; 197.5,188.75 197.5,195 305,195 305,188.75 ; 197.5,189.75 305,189.75 ; 146.875,228.5 146.875,232 189.5,232 189.5,228.5 146.875,228.5 ; 269,202.5 273,202.5 273,239 269,239 269,202.5
  text "HEATSINK" at 161.877,229.5 h1.5
  text "HEATSINK" at 271.75,215.377 h1.5 r90
  text "STANDBY 12V" at 309,213.628 h1.5 r90
  text "SYNCHRONOUS RECTIGICATION" at 227.151,213.625 h1.25
  text "MODULE" at 238.959,210.625 h1.25
  text "SHIELD" at 194.564,204.875 h1.25
  text "S1" at 254.25,204.717 h1 r90
  text "D1" at 256.75,204.717 h1 r90
  text "G1" at 259.25,204.717 h1 r90
  text "S2" at 226.25,204.7 h1 r90
  text "D2" at 228.79,204.7 h1 r90
  text "G2" at 231.33,204.7 h1 r90
  text "12V" at 246.5,203.801 h1 r90
  text "GND" at 244,203.634 h1 r90
  text "AC 85-265 V" at 102.875,201.628 h1.5 r90
  text "H" at 293.449,196.334 h10
  text "X" at 279.449,196.125 h10
  text "W" at 302.088,195.801 h10
  text "O" at 287.482,195.51 h10
  text "HEATSINK" at 249.377,192.25 h1.5
  text "VOUT" at 308.25,180.501 h1.5 r90
  text "SHIELD" at 199.364,158.675 h1.25
  text "1" at 192,146.333 h1 r90
  text "2" at 194.54,146.333 h1 r90
  text "3" at 197.08,146.333 h1 r90
  text "4" at 199.62,146.333 h1 r90
  text "5" at 202.16,146.333 h1 r90
  text "6" at 217.4,146.333 h1 r90
  text "7" at 219.94,146.333 h1 r90
  text "8" at 222.48,146.333 h1 r90
  text "9" at 225.02,146.333 h1 r90
  text "10" at 227.56,146.333 h1 r90
  text "11" at 230.1,146.333 h1 r90
  text "12" at 232.64,146.333 h1 r90
  text "13" at 235.18,146.333 h1 r90
  text "14" at 237.72,146.333 h1 r90
  text "15" at 240.26,146.333 h1 r90
  text "16" at 242.8,146.333 h1 r90
  text "17" at 245.34,146.333 h1 r90
  text "VS" at 197.08,140.457 h1 r90
  text "0V" at 307.5,139.54 h1.5 r90
  text "PWM" at 207.535,139.264 h1.25 r90
  text "SHDN" at 245.34,138.458 h1 r90
  text "block" at 212.615,138.223 h1.25 r90
  text "PWM_L" at 194.457,137.458 h1 r90
  text "PWM_H" at 199.537,137.458 h1 r90
  text "OCP_H" at 235.097,137.458 h1 r90
  text "OCP_R" at 237.637,137.458 h1 r90
  text "OTP_H" at 240.177,137.458 h1 r90
  text "OTP_R" at 242.717,137.458 h1 r90
  text "control" at 210.075,137.077 h1.25 r90
  text "GROUND" at 202.16,136.459 h1 r90
  text "GROUNG" at 232.64,136.459 h1 r90
  text "VCC_12V" at 191.917,135.625 h1 r90
  text "FB_CURR" at 217.317,135.458 h1 r90
  text "FB_VOLT" at 219.857,135.458 h1 r90
  text "HALF_SD" at 222.397,135.459 h1 r90
  text "SET_ALE" at 224.937,135.459 h1 r90
  text "CLR_ALE" at 227.477,135.459 h1 r90
  text "REF_5V0" at 230.017,135.459 h1 r90
  text "DAC" at 306.034,131.2 h1.1
  text "GND" at 306.034,127.39 h1.1
  text "OFF" at 306.034,122.7 h1.1
  text "CLR" at 306.034,118.89 h1.1
  text "ALRT" at 305.484,114.2 h1.1
  text "HEATSINK" at 176.377,111.25 h1.5
  text "GND" at 306.034,110.39 h1.1
  text "OPEN-PSU PROJECT" at 279.603,105.65 h1.2
  text "rev. A" at 285.701,103.15 h1.2
Outline:
  the board outline again, w0.254
Top Assy:
  drawing of 1894 lines, arcs and shapes, not listed

## Text inside footprints (layer, text, board x,y; h text height)
R39: Top Overlay "SENSE" at 238.434,102.2 h1.1
R65: Top Overlay "SENSE" at 290.8,129.184 h1.1 r90
R67: Top Overlay "SENSE" at 294.55,129.184 h1.1 r90
VD11: Top Overlay "TO-220" at 143.858,108.75 h1; Top Overlay "2x" at 145.857,110.5 h1; Top Overlay "TO-247" at 136.358,101.25 h1
XS1: Top Overlay "FRONT" at 105.825,207.042 h1 r90
XS2: Top Overlay "FRONT" at 305.876,218.802 h1.8 r90
XS3: Top Overlay "FRONT" at 304.377,118.552 h1.8 r90
XS4: Top Overlay "FRONT" at 304.377,110.052 h1.8 r90
XS5: Top Overlay "FRONT" at 304.377,127.052 h1.8 r90
XS6: Top Overlay "FRONT" at 305.377,180.552 h1.8 r90
XS7: Top Overlay "FRONT" at 304.377,138.302 h1.8 r90